# Altium PCB LimeSDR-QPCIe_1v2.PcbDoc (part 19 of 21)
Units mm, origin at the board's own origin, x right, y up, seen from the top; angles counter-clockwise.
Board outline 190 x 111.15 mm, 14 copper layers (Top, L2, L3, L4, L5, L6, L7, L8, L9, L10, L11, L12, L13, Bottom), stack 1.907 mm thick; 2014 components, 1408 nets, 9111 pads, 4171 vias.
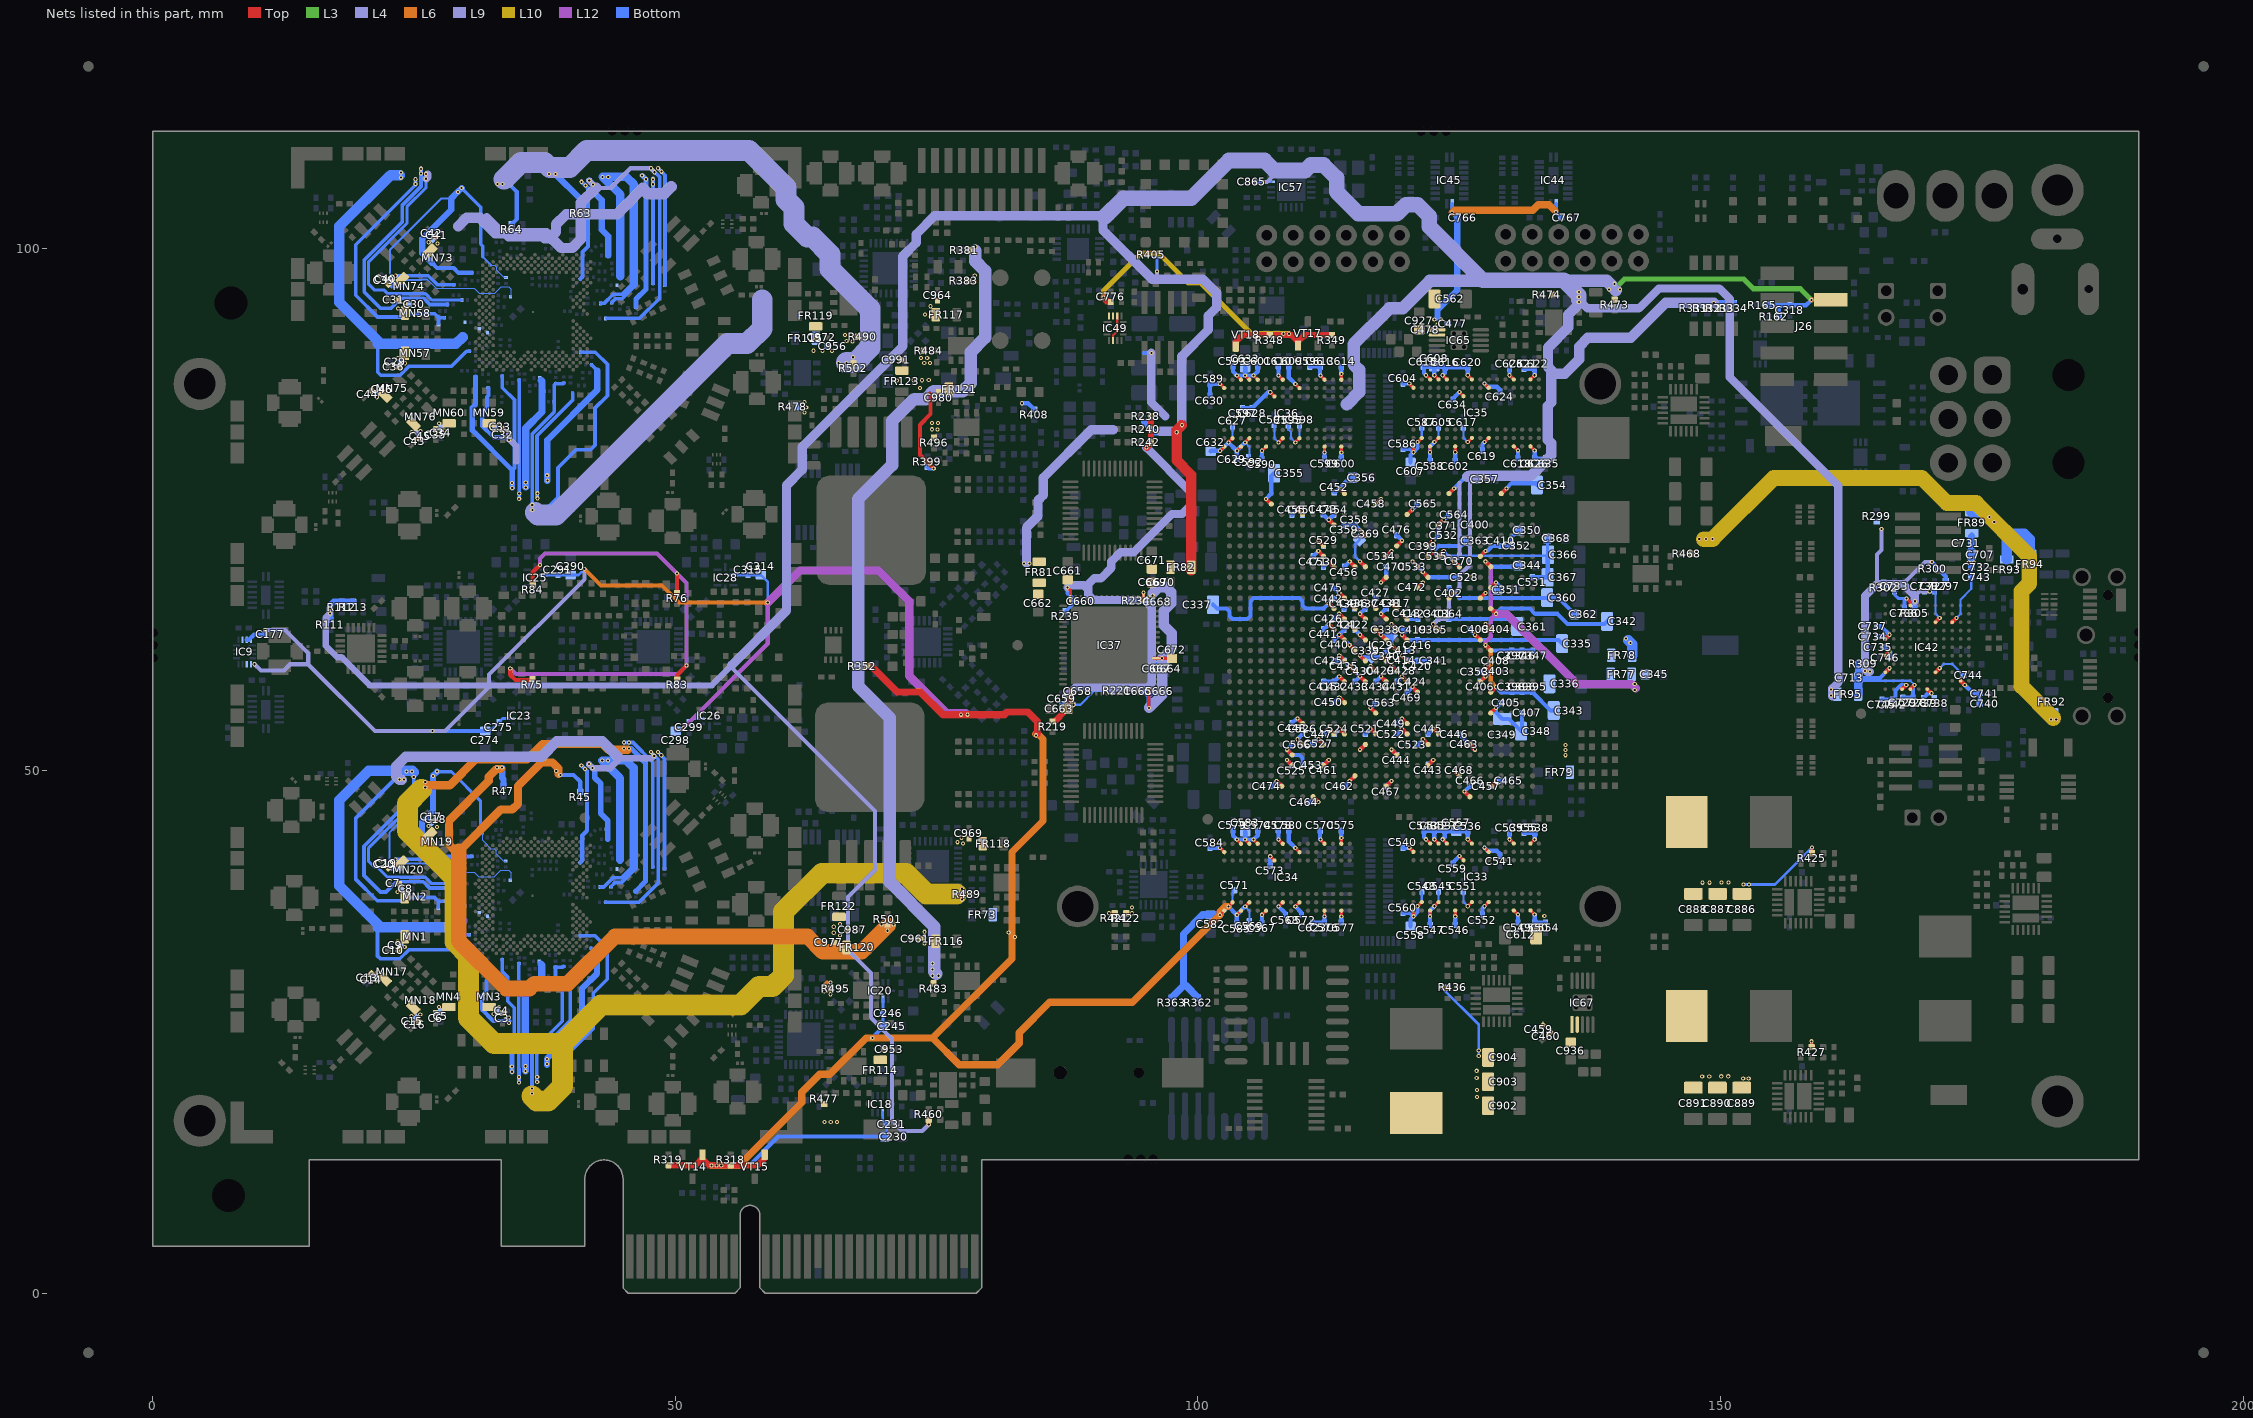
[diagram p31: the nets of this part, all layers, seen from the top]

## Via types
v1: diameter 0.4, hole 0.2, Top to Bottom, tented both sides, 3282 vias
v2: diameter 0.4, hole 0.2, Top to Bottom, tented top, 531 vias
v3: diameter 0.35, hole 0.2, Top to Bottom, tented top, 210 vias
v4: diameter 0.5, hole 0.2, Top to Bottom, tented both sides, 99 vias
v5: diameter 0.5, hole 0.2, Top to Bottom, tented bottom, 49 vias

## Nets (pads, with @x,y where several pads share a name; then routed paths per layer and width w, separated by ;. In a path a pad name is that pad's centre, name@x,y a point inside that pad or via, vN(x,y) a via of type N, cw(c..) or ccw(c..) an arc to the next point about the centre after c; other vN are vias at no path point) (continued)
VCC1P1: C335.2 C336.2 C337.2 C338.2 C339.2 C340.1 C341.1 C413.1 C414.1 C415.1 C416.1 C417.1 C418.1 C419.1 C420.1 C421.1 C422.1 C423.1 C424.1 C425.1 C426.1 C427.1 C428.1 C429.1 C430.1 C431.1 C432.1 C433.1 C434.1 C435.1 C436.1 C437.1 C438.1 C439.1 C440.1 C441.1 C442.1 C889.2 C890.2 C891.2 FR77.1 FR78.1 IC29.M13 IC29.M15 IC29.M17 IC29.M19 IC29.N14 IC29.N16 IC29.N18 IC29.P13 IC29.P15 IC29.P17 IC29.P19 IC29.R14 IC29.R16 IC29.R18 IC29.T13 IC29.T15 IC29.T17 IC29.T19 IC29.U14 IC29.U16 IC29.U18 IC29.U20 IC29.V13 IC29.V15 IC29.V17 IC29.V19 IC29.W14 IC29.W16 IC29.W18 IC29.W20 L3.2 R427.2 | length 86.3
  Top w0.309: R427.2@158.725,23.55 v1(158.725,24.1)
  Top w0.4: v1(112.525,64) IC29.U20@113.025,63.5 ; v1(112.525,66) IC29.W20@113.025,65.5 ; v1(113.525,59) IC29.M19@114.025,58.5 ; v1(113.525,61) IC29.P19@114.025,60.5 ; v1(113.525,63) IC29.T19@114.025,62.5 ; v1(113.525,65) IC29.V19@114.025,64.5 ; v1(114.525,60) IC29.N18@115.025,59.5 ; v1(114.525,62) IC29.R18@115.025,61.5 ; v1(114.525,64) IC29.U18@115.025,63.5 ; v1(114.525,66) IC29.W18@115.025,65.5 ; v1(115.525,59) IC29.M17@116.025,58.5 ; v1(115.525,61) IC29.P17@116.025,60.5 ; v1(115.525,63) IC29.T17@116.025,62.5 ; v1(115.525,65) IC29.V17@116.025,64.5 ; v1(116.525,60) IC29.N16@117.025,59.5 ; v1(116.525,62) IC29.R16@117.025,61.5 ; v1(116.525,66) IC29.W16@117.025,65.5 ; IC29.U16@117.025,63.5 v1(117.525,63) IC29.T15@118.025,62.5 ; v1(117.525,59) IC29.M15@118.025,58.5 ; v1(117.525,61) IC29.P15@118.025,60.5 ; v1(117.525,65) IC29.V15@118.025,64.5 ; v1(118.525,60) IC29.N14@119.025,59.5 ; v1(118.525,62) IC29.R14@119.025,61.5 ; v1(118.525,64) IC29.U14@119.025,63.5 ; v1(118.525,66) IC29.W14@119.025,65.5 ; v1(119.525,59) IC29.M13@120.025,58.5 ; v1(119.525,61) IC29.P13@120.025,60.5 ; v1(119.525,63) IC29.T13@120.025,62.5 ; v1(119.525,65) IC29.V13@120.025,64.5
  Bottom w0.4: C337.2@101.45,65.875 101.825,65.5 102.732,65.5 103.025,65.207 103.025,64.793 103.318,64.5 103.732,64.5 104.732,64.5 105.025,64.793 105.025,66.207 105.318,66.5 109.732,66.5 110.025,66.207 110.025,65.793 110.318,65.5 112.025,65.5 v1(112.525,66) 112.55,66 C442.1@113,66.45 ; C441.1@112.025,63.525 112.05,63.525 v1(112.525,64) ; C415.1@112.05,58.5 113.025,58.5 v1(113.525,59) ; C426.1@113.025,64.525 113.05,64.525 v1(113.525,65) ; C425.1@113.075,60.5 C435.1@114.025,60.5 ; C440.1@113.075,62.525 v1@113.525,62.975 ; v1(113.525,61) C435.1@114.025,60.5 ; C439.1@113.975,65.475 114,65.475 v1(114.525,66) 114.975,65.55 C436.1@114.975,65.5 ; v1(114.525,60) C435.1@114.025,60.5 ; v1(114.525,62) 113.55,62.975 v1@113.525,62.975 ; v1(114.525,64) C421.1@113.975,63.45 v1(113.525,63) v1@113.525,62.975 ; C433.1@115.025,58.525 115.05,58.525 v1(115.525,59) 115.025,59.5 C430.1@115.025,59.525 ; C422.1@115.025,63.475 115.051,63.475 v1@115.525,63.001 ; v1(115.525,61) 115.651,60.874 C339.2@116.651,60.874 ; v1(115.525,65) 115.525,65.025 C437.1@115.975,65.475 ; v1(116.525,60) C429.1@116.975,59.55 ; v1(116.525,62) 116.651,61.874 C339.2@116.651,60.874 ; v1(116.525,66) 116.525,66.025 C427.1@117.025,66.525 ; C434.1@117.05,58.525 v1(117.525,59) ; v1(117.525,63) 117.626,62.899 C338.2@118.526,62.899 ; v1@117.541,65.016 118.025,65.5 C438.1@118.025,65.525 ; v1(118.525,60) 118.55,60 C428.1@119,59.55 ; v1(118.525,64) 119.025,63.5 ; v1(118.525,66) C417.1@119,65.525 ; C431.1@119.05,58.525 v1(119.525,59) 120,58.525 C424.1@120.025,58.525 ; v1(119.525,65) 119.975,64.55 C418.1@120,64.55 120.05,64.5 121.05,64.5 C423.1@121.05,64.525 ; C413.1@120.05,61.525 v1(119.525,61) 119.575,61 C414.1@120.025,60.55 120.075,60.5 C420.1@121.025,60.5 C341.1@122.05,60.5 ; C335.2@134.85,62.15 134.5,62.5 120.025,62.5 v1(119.525,63) 119.55,63 C419.1@120.05,63.5 119.025,63.5 ; C339.2@116.651,60.874 117.399,60.874 v1(117.525,61) 117.55,61 C340.1@118,61.45 118.525,61.975 v1(118.525,62) 118.526,62.001 C338.2@118.526,62.899 ; C338.2@118.526,62.899 118.526,63.001 119.025,63.5
  other v1: 152.175,20.55 152.7,20.55 148.25,20.725 148.925,20.725 150.075,20.75 150.75,20.75
VCC1P1E_FPGA: C348.2 C349.2 C350.2 C351.2 C352.2 C353.1 C403.1 C404.1 C405.1 C406.1 C407.1 C408.1 C409.1 C410.1 FR78.2 IC29.AA5 IC29.AD6 IC29.J5 IC29.M6 IC29.N5 IC29.T6 IC29.U5 IC29.Y6 | length 23.4
  Top w0.4: v1(126.525,63) IC29.T6@127.025,62.5 ; IC29.M6@127.025,58.5 v1(127.525,59) ; IC29.Y6@127.025,66.5 v1(127.525,67) ; IC29.AD6@127.025,70.5 v1(127.525,71) ; v1(127.525,60) IC29.N5@128.025,59.5 ; v1(127.525,64) IC29.U5@128.025,63.5 ; IC29.J5@128.025,55.5 v1(128.525,56) ; IC29.AA5@128.025,67.5 v1(128.525,68)
  Bottom w0.4: C409.1@126.05,63.525 126.525,63.05 v1(126.525,63) ; C406.1@127,58.525 127.05,58.525 v1(127.525,59) ; C353.1@127,59.475 127.05,59.475 v1(127.525,59) ; v1(127.525,64) 127.575,64 C404.1@128.05,63.525 ; v1(127.525,71) 127.683,71 128.183,71.5 129.732,71.5 130.025,71.793 130.025,72.35 C350.2@130.675,73 ; C408.1@128,60.5 128,60.475 v1(127.525,60) C403.1@128,59.525 128,59.475 v1(127.525,59) ; v1(128.525,68) 128.675,67.85 C351.2@128.675,67.3 ; C405.1@129.025,56.5 v1(128.525,56) 128.525,55.55 C349.2@129.125,54.95 129.75,54.95 C348.2@130.925,53.775 131.025,53.875 C407.1@131.025,55.55
  Bottom w1: 141.175,62.475 141.55,62.1 FR78.2@141.55,61.025
  other v1: 141.375,62.225 140.95,62.65
VCC1P1L_FPGA: C342.2 C343.2 C344.2 C345.2 C346.2 C347.1 C395.1 C396.1 C397.1 C398.1 FR77.2 IC29.AC5 IC29.L5 IC29.R5 IC29.W5 | length 58.6
  Top w0.4: v1(127.525,62) IC29.R5@128.025,61.5 ; v1(127.525,70) IC29.AC5@128.025,69.5 ; IC29.L5@128.025,57.5 v1(128.525,58) ; IC29.W5@128.025,65.5 v1(128.525,65)
  L6 w0.4: v1(127.525,62) 128.025,61.5 128.025,58.5 v1(128.525,58)
  L12 w0.4: v1(127.525,62) 127.525,62.293 128.025,62.793 128.025,64.5 v1(128.525,65) 128.025,65.5 128.025,69.5 v1(127.525,70)
  L12 w0.8: v1(128.525,65) 129.535,65 136.26,58.275 141.5,58.275 141.887,57.888
  Bottom w0.4: v1(127.525,62) 128.025,61.5 C397.1@130.025,61.5 C346.2@131,61.5 C347.1@132.1,61.5 ; v1(127.525,70) 128.025,69.5 130.65,69.5 C344.2@130.65,69.65 ; v1(128.525,58) 129.025,57.5 132,57.5 133.75,55.75 C343.2@134.05,55.75 ; v1(128.525,65) 129.025,65.5 131.775,65.5 132.275,65 134.4,65 135.375,64.025 138.9,64.025 C342.2@139.15,64.275
  other v1: 141.8,57.7 141.8,58.275
VCC1P2: FR89.1 FR92.2 FR93.2 FR94.2 R468.1 | length 64.6
  L10 w1.5: 148.4,72.15 v1(149.25,72.15) 155.1,78 169.275,78 171.675,75.6 174.46,75.6 179.55,70.51 179.55,67.9 178.8,67.15 178.8,58.085 181.85,55.035
  Bottom w1: FR89.1@174.05,74.725 175.325,74.725 177.4,72.65 ; FR93.2@177.4,70.2 177.4,72.65 ; FR94.2@179.6,70.75 179.6,72.125 179.075,72.65 177.4,72.65 ; 181.825,54.95 FR92.2@181.825,55.35
  other v1: 181.625,54.9 182.125,54.9 147.975,72.15 148.625,72.15 176.2,73.775 175.725,74.275
VCC1P2_FX3: C707.2 C731.1 C732.1 C733.1 C734.1 C735.1 C736.1 C737.1 C738.1 C739.2 C740.2 C741.2 C742.2 C743.2 C744.2 C745.2 C746.2 FR89.2 IC42.B10 IC42.C3 IC42.E9 IC42.F11 IC42.H1 IC42.J11 IC42.L5 IC42.L7 | length 29.9
  Top w0.3: v1(167.8,66.475) 168.15,66.125 168.15,65.8 IC42.H1@168.175,65.8
  Top w0.4: IC42.L7@165.775,61 v1(166.175,61.4) ; IC42.L5@165.775,62.6 v1(166.175,63) ; IC42.J11@167.375,57.8 v1(167.775,58.2) ; IC42.F11@169.775,57.8 v1(170.175,57.4) ; IC42.E9@170.575,59.4 v1(170.975,59.8) ; IC42.C3@172.175,64.2 v1(172.575,64.6) ; IC42.B10@172.975,58.6 v1(173.375,58.2)
  Bottom w0.2: v1(170.975,59.8) 171.375,60.2 172.175,60.2 C744.2@173.25,59.125 ; v1(172.575,64.6) 172.975,65 172.975,66.375 174,67.4 C743.2@174,68.5 C732.1@174,69.45
  Bottom w0.3: C733.1@166.776,67.15 C733.1@166.65,67.15 166.65,66.825 167,66.475 v1(167.8,66.475)
  Bottom w0.4: C734.1@165.05,62.8 165.975,62.8 v1(166.175,63) 165.375,63.8 C737.1@165.05,63.8 ; C745.2@165.45,56.8 C742.2@166.45,56.8 166.75,57.1 166.75,57.65 167.3,58.2 v1(167.775,58.2) ; C735.1@165.6,61.8 165.775,61.8 v1(166.175,61.4) 166.275,61.3 C746.2@166.275,60.8 ; C736.1@167.6,65.55 167.6,66.275 v1(167.8,66.475) ; C739.2@169.425,56.95 169.875,57.4 v1(170.175,57.4) ; v1(173.375,58.2) 174.2,57.375 C741.2@174.8,57.375 C740.2@174.8,56.375
  Bottom w0.6: C732.1@174,69.45 174,72.425 FR89.2@174.05,72.475
  other v1: 173.75,69.925 174.25,69.925
VCC1P4_LMS1: FR29.1 FR30.2 FR32.2 FR33.2 FR34.2 FR35.2 R489.1 | length 182.4
  L6 w0.8: 26.375,48.6 28.425,48.6 30.925,51.1 35.85,51.1 37.3,52.55 43.05,52.55 43.606,51.994 v1@45.45,51.994
  L10 w2: 25.738,48.213 24.389,46.864 24.389,44.236 28.9,39.725 28.9,33.625 30.2,32.325 30.2,26.325 32.65,23.875 39.2,23.875 ; 36.275,18.85 36.75,18.375 37.809,18.375 39.225,19.791 39.225,23.9 42.9,27.575 56.25,27.575 58,29.325 59.3,29.325 60.35,30.375 60.35,36.5 64.025,40.175 72.075,40.175 74.05,38.2 v1(76.9,38.2)
  Bottom w0.3: v1(26.075,48.9) v1(26.075,48.375) 26.075,47.999 20.637,42.561 20.637,41.35 21.237,40.75 21.503,40.75 22.462,39.791 26.087,39.791 26.688,39.19 FR35.2@29.55,39.19
  Bottom w0.35: FR32.2@38.535,31.205 FR32.2@38.535,31.185 ; FR33.2@39.305,31.26 39.23,31.185 FR32.2@38.535,31.185 ; FR34.2@40.93,34.19 42.328,34.19 43.487,33.031 43.487,30.04 42.149,28.703 42.149,25.324 38.75,21.925 38.75,20.422 37.425,19.097 v1(36.293,19.097) 36.293,23.143 39.175,26.025 39.175,29.035 FR29.1@38.535,29.675 FR32.2@38.535,31.185
  Bottom w0.5: v1(45.087,52.119) v1(45.587,52.119) 45.785,52.119 47.162,50.742 47.162,39.407 FR30.2@46.216,38.461
  other v1: 36.287,19.591 77.425,37.65 77.425,38.7
VCC1P4_LMS2: FR64.1 FR65.2 FR67.2 FR68.2 FR69.2 FR70.2 R490.1 | length 124.7
  L4 w0.7: v1(26.163,106.625) 26.313,106.775 v1@26.313,107.063 ; 31.975,103 33.997,100.978 37.283,100.978 37.32,100.941 37.532,100.941
  L4 w1: 37.532,100.941 37.966,100.941 38.587,101.562 38.587,102.287 39.55,103.25 44.425,103.25 46.875,105.7
  L4 w1.1: 46.875,105.7 47.375,105.2 48.925,105.2 49.6,105.875
  L4 w2: 36.6,74.7 36.85,74.45 38.6,74.45 55,90.85 56.875,90.85 58.325,92.3 58.325,95.05
  Bottom w0.3: v1(26.163,107.1) 26.163,105.784 24.316,103.937 24.316,102.34 20.663,98.688 20.663,96.528 21.196,95.995 22.121,95.995 22.488,95.628 26.113,95.628 26.714,95.027 FR70.2@29.577,95.027
  Bottom w0.35: FR67.2@38.562,87.022 39.257,87.022 FR68.2@39.332,87.097 ; FR67.2@38.562,87.042 38.427,86.907 38.427,84.32 36.32,82.213 v1(36.32,74.934) 37.575,74.934 38.775,76.134 38.775,78.975 40.5,80.7 41.9,80.7 42.325,81.125 42.325,84.689 43.513,85.877 43.513,88.868 42.354,90.027 FR69.2@40.957,90.027
  Bottom w0.5: FR65.2@46.245,94.37 46.245,95.108 47.188,96.051 v1(47.188,106.579) v1(46.835,106.933)
  other v1: 36.313,75.428 66.95,91.05 66.4,91.1 66.225,91.675
VCC1P5: C177.2 C230.2 C231.1 C245.2 C246.1 C274.2 C275.1 C290.2 C291.1 C298.2 C299.1 C314.2 C315.1 C354.2 C355.2 C356.2 C357.2 C358.2 C359.1 C443.1 C444.1 C445.1 C446.1 C447.1 C448.1 C449.1 C450.1 C451.1 C452.1 C453.1 C454.1 C455.1 C456.1 C457.1 C458.1 C459.1 C460.1 C461.1 C462.1 C463.1 C464.1 C465.1 C466.1 C467.1 C468.1 C469.1 C470.1 C471.1 C472.1 C473.1 C474.1 C475.1 C476.1 C477.1 C478.1 C536.1 C537.1 C538.1 C539.1 C540.1 C541.1 C542.1 C543.1 C545.1 C546.1 C547.1 C548.1 C549.1 C550.1 C551.1 C552.1 C554.1 C555.1 C557.2 C558.2 C559.1 C560.2 C562.2 C563.1 C564.1 C565.1 C566.1 C567.1 C568.1 C569.1 C570.1 C571.1 C572.1 C573.1 C574.1 C575.1 C576.1 C577.1 C578.1 C579.1 C580.1 C582.2 C583.2 C584.1 C585.2 C586.1 C587.1 C588.1 C589.1 C590.1 C591.1 C592.1 C593.1 C595.1 C596.1 C597.1 C598.1 C599.1 C600.1 C601.1 C602.1 C604.1 C605.1 C607.2 C608.2 C609.1 C610.2 C612.2 C613.1 C614.1 C615.1 C616.1 C617.1 C618.1 C619.1 C620.1 C621.1 C622.1 C623.1 C624.1 C625.1 C626.1 C627.1 C628.1 C629.1 C630.1 C632.2 C633.2 C634.1 C635.2 C766.1 C767.1 C776.1 C886.2 C887.2 C888.2 C927.2 C936.2 FR73.1 IC9.5 IC9.6 IC9.14 IC9.15 IC9.16 IC18.7 IC20.7 IC23.7 IC25.7 IC26.7 IC28.7 IC29.A7 IC29.A22 IC29.AA12 IC29.AB15 IC29.AC18 IC29.AD21 IC29.AE14 IC29.AF17 IC29.AG10 IC29.AG20 IC29.AH13 IC29.AH23 IC29.AJ16 IC29.AJ26 IC29.AK4 IC29.AK9 IC29.AK19 IC29.B5 IC29.B15 IC29.B25 IC29.C8 IC29.C18 IC29.D11 IC29.D21 IC29.E14 IC29.E24 IC29.F7 IC29.F17 IC29.G10 IC29.G20 IC29.H13 IC29.H23 IC29.J16 IC29.K19 IC29.L12 IC29.Y19 IC33.A1 IC33.A8 IC33.B2 IC33.C1 IC33.C9 IC33.D2 IC33.D9 IC33.E9 IC33.F1 IC33.G7 IC33.H2 IC33.H9 IC33.K2 IC33.K8 IC33.N1 IC33.N9 IC33.R1 IC33.R9 IC34.A1 IC34.A8 IC34.B2 IC34.C1 IC34.C9 IC34.D2 IC34.D9 IC34.E9 IC34.F1 IC34.G7 IC34.H2 IC34.H9 IC34.K2 IC34.K8 IC34.N1 IC34.N9 IC34.R1 IC34.R9 IC35.A1 IC35.A8 IC35.B2 IC35.C1 IC35.C9 IC35.D2 IC35.D9 IC35.E9 IC35.F1 IC35.G7 IC35.H2 IC35.H9 IC35.K2 IC35.K8 IC35.N1 IC35.N9 IC35.R1 IC35.R9 IC36.A1 IC36.A8 IC36.B2 IC36.C1 IC36.C9 IC36.D2 IC36.D9 IC36.E9 IC36.F1 IC36.G7 IC36.H2 IC36.H9 IC36.K2 IC36.K8 IC36.N1 IC36.N9 IC36.R1 IC36.R9 IC44.20 IC45.20 IC49.6 IC49.14 IC49.15 IC49.16 IC65.1 IC65.2 IC67.1 IC67.2 L2.2 R318.1 R319.1 R331.1 R332.1 R333.1 R334.1 R348.1 R349.1 R352.2 R362.2 R363.2 R425.2 VT14.G VT15.G VT17.G VT18.G | length 610.9
  Top w0.2: IC49.6@91.89,91.15 91.89,91.65 92.29,92.05 IC49.14@92.29,93.5
  Top w0.309: v1(102.125,36.2) IC34.A1@102.525,36.6 ; v1(102.125,42.6) IC34.A8@102.525,42.2 ; v1(102.125,80.6) IC36.A1@102.525,81 ; v1(102.125,87) IC36.A8@102.525,86.6 ; v1(102.925,37) IC34.B2@103.325,37.4 ; v1(102.925,81.4) IC36.B2@103.325,81.8 ; v1(103.725,36.2) IC34.C1@104.125,36.6 ; v1(103.725,43.4) IC34.C9@104.125,43 ; v1(103.725,80.6) IC36.C1@104.125,81 ; v1(103.725,87.8) IC36.C9@104.125,87.4 ; v1(104.525,37) IC34.D2@104.925,37.4 ; v1(104.525,43.4) IC34.D9@104.925,43 ; v1(104.525,81.4) IC36.D2@104.925,81.8 ; v1(104.525,87.8) IC36.D9@104.925,87.4 ; v1(105.325,43.4) IC34.E9@105.725,43 ; v1(105.325,87.8) IC36.E9@105.725,87.4 ; v1(106.125,36.2) IC34.F1@106.525,36.6 ; v1(106.125,80.6) IC36.F1@106.525,81 ; v1(106.925,41.8) IC34.G7@107.325,41.4 ; v1(106.925,86.2) IC36.G7@107.325,85.8 ; v1(107.725,37) IC34.H2@108.125,37.4 ; v1(107.725,43.4) IC34.H9@108.125,43 ; v1(107.725,81.4) IC36.H2@108.125,81.8 ; v1(107.725,87.8) IC36.H9@108.125,87.4 ; v1(109.325,37) IC34.K2@109.725,37.4 ; v1(109.325,42.6) IC34.K8@109.725,42.2 ; v1(109.325,81.4) IC36.K2@109.725,81.8 ; v1(109.325,87) IC36.K8@109.725,86.6 ; v1(111.725,43.4) IC34.N9@112.125,43 ; v1(111.725,87.8) IC36.N9@112.125,87.4 ; v1(112.125,36.034) IC34.N1@112.125,36.6 ; v1(112.125,80.434) IC36.N1@112.125,81 ; v1(113.725,36.034) IC34.R1@113.725,36.6 ; IC34.R9@113.725,43 v1(113.725,43.566) ; v1(113.725,80.434) IC36.R1@113.725,81 ; IC36.R9@113.725,87.4 v1(113.725,87.966) ; v1(120.225,42.625) IC33.A8@120.625,42.225 ; v1(120.225,87.025) IC35.A8@120.625,86.625 ; v1(120.625,36.059) IC33.A1@120.625,36.625 ; v1(120.625,80.459) IC35.A1@120.625,81.025 ; v1(121.025,37.025) IC33.B2@121.425,37.425 ; v1(121.025,81.425) IC35.B2@121.425,81.825 ; v1(121.825,43.425) IC33.C9@122.225,43.025 ; v1(121.825,87.825) IC35.C9@122.225,87.425 ; v1(122.225,36.059) IC33.C1@122.225,36.625 ; v1(122.225,80.459) IC35.C1@122.225,81.025 ; v1(122.625,37.025) IC33.D2@123.025,37.425 ; v1(122.625,43.425) IC33.D9@123.025,43.025 ; v1(122.625,81.425) IC35.D2@123.025,81.825 ; v1(122.625,87.825) IC35.D9@123.025,87.425 ; v1(123.425,43.425) IC33.E9@123.825,43.025 ; v1(123.425,87.825) IC35.E9@123.825,87.425 ; v1(124.625,36.059) IC33.F1@124.625,36.625 ; v1(124.625,80.459) IC35.F1@124.625,81.025 ; v1(125.025,41.825) IC33.G7@125.425,41.425 ; v1(125.025,86.225) IC35.G7@125.425,85.825 ; v1(125.825,37.025) IC33.H2@126.225,37.425 ; v1(125.825,43.425) IC33.H9@126.225,43.025 ; v1(125.825,81.425) IC35.H2@126.225,81.825 ; v1(125.825,87.825) IC35.H9@126.225,87.425 ; v1(127.425,37.025) IC33.K2@127.825,37.425 ; v1(127.425,42.625) IC33.K8@127.825,42.225 ; v1(127.425,81.425) IC35.K2@127.825,81.825 ; v1(127.425,87.025) IC35.K8@127.825,86.625 ; v1(129.825,43.425) IC33.N9@130.225,43.025 ; v1(129.825,87.825) IC35.N9@130.225,87.425 ; IC33.N1@130.225,36.625 v1(130.625,36.225) ; IC35.N1@130.225,81.025 v1(130.625,80.625) ; IC33.R1@131.825,36.625 v1(132.225,36.225) ; IC33.R9@131.825,43.025 v1(132.225,43.425) ; IC35.R1@131.825,81.025 v1(132.225,80.625) ; IC35.R9@131.825,87.425 v1(132.225,87.825) ; R425.2@158.75,42.1 v1(158.75,42.65)
  Top w0.4: v1(106.525,76) IC29.AJ26@107.025,75.5 ; v1(107.525,49) IC29.B25@108.025,48.5 ; v1(108.525,52) IC29.E24@109.025,51.5 ; v1(109.525,55) IC29.H23@110.025,54.5 ; v1(109.525,75) IC29.AH23@110.025,74.5 ; IC29.A22@111.025,47.5 v1(111.525,47) ; v1(111.525,71) IC29.AD21@112.025,70.5 ; IC29.D21@112.025,50.5 v1(112.525,51) ; v1(112.525,54) IC29.G20@113.025,53.5 ; v1(112.525,74) IC29.AG20@113.025,73.5 ; v1(113.525,57) IC29.K19@114.025,56.5 ; v1(113.525,67) IC29.Y19@114.025,66.5 ; v1(113.525,77) IC29.AK19@114.025,76.5 ; v1(114.525,49) IC29.C18@115.025,49.5 ; v1(114.525,70) IC29.AC18@115.025,69.5 ; v1(115.525,52) IC29.F17@116.025,52.5 ; v1(115.525,73) IC29.AF17@116.025,72.5 ; v1(116.525,56) IC29.J16@117.025,55.5 ; IC29.AJ16@117.025,75.5 v1(117.525,76) ; v1(117.525,68) IC29.AB15@118.025,68.5 ; IC29.B15@118.025,48.5 v1(118.525,49) ; v1(118.525,52) IC29.E14@119.025,51.5 ; IC29.AE14@119.025,71.5 v1(119.525,72) ; v1(119.525,55) IC29.H13@120.025,54.5 ; IC29.AH13@120.025,74.5 v1(120.525,75) ; v1(120.525,58) IC29.L12@121.025,57.5 ; IC29.AA12@121.025,67.5 v1(121.525,68) ; IC29.D11@122.025,50.5 v1(122.525,51) ; v1(122.525,54) IC29.G10@123.025,53.5 ; IC29.AG10@123.025,73.5 v1(123.525,74) ; IC29.AK9@124.025,76.5 v1(124.525,77) ; v1(124.525,50) IC29.C8@125.025,49.5 ; v1(125.525,48) IC29.A7@126.025,47.5 ; IC29.F7@126.025,52.5 v1(126.525,52) ; IC29.B5@128.025,48.5 v1(128.525,49) ; IC29.AK4@129.025,76.5 v1(129.525,77)
  Top w0.6: R319.1@49.35,12.25 51.95,12.25 52.6,12.9 VT14.G@52.6,13.25 52.6,12.85 53.2,12.25 R318.1@55.3,12.25 57.9,12.25 58.55,12.9 VT15.G@58.55,13.25 ; v1(90.962,95.262) 91.399,94.825 C776.1@91.675,94.825 ; VT18.G@103.625,90.675 103.625,91.025 104.275,91.675 R348.1@106.875,91.675 108.975,91.675 109.575,91.075 VT17.G@109.575,90.675 109.575,91.025 110.225,91.675 R349.1@112.825,91.675
  Top w0.7: R352.2@68.375,60 68.75,60 71.225,57.525 73.45,57.525 75.625,55.35 v1(77.35,55.35) v1(77.95,55.35) 81.5,55.35 81.75,55.6 83.725,55.6 84.65,54.675 84.65,53.575 v1@84.575,53.5
  L6 w0.4: v1(41.3,69.3) 42.9,67.7 48.725,67.7 50.35,66.075 v1(58.85,66.075)
  L6 w0.7: v1(53.475,12.225) 56.075,12.225 62.1,18.25 62.1,19.225 63.812,20.937 64.787,20.937 68.262,24.413 74.612,24.413 ; v1@84.5,53.504 84.7,53.504 85.175,53.029 85.175,45.175 82.213,42.213 82.213,32.013 74.612,24.413 ; v1(102.925,37) 102.625,37 102.125,36.5 v1(102.125,36.2) 93.75,27.825 85.8,27.825 82.9,24.925 82.9,23.9 80.85,21.85 77.175,21.85 74.612,24.413 ; v1(124.325,103.4) 124.55,103.625 132.05,103.625 132.575,104.15 133.6,104.15 v1@134.175,103.575
  L4 w1: 133.85,87.95 135.081,87.95 136.475,89.344 136.475,90.575 137.3,91.4 141.425,91.4 144.775,94.75 v1(149.36,94.75)
  L10 w0.5: v1(90.962,95.262) 90.962,95.912 94.55,99.5 96.25,99.5 99.075,96.675 100.25,96.675 105.125,91.8 v1(108.725,91.8)
  L12 w0.4: v1(50.775,54.075) 58.85,62.15 v1(58.85,66.075)
  L12 w0.8: v1(58.85,66.075) 61.925,69.15 69.45,69.15 72.375,66.225 72.375,59.075 75.95,55.5 77.8,55.5
  L9 w0.4: v1(9.75,60.175) 10.35,59.575 12.55,59.575 13.15,60.175 14.875,60.175 ; v1(10.75,63.45) 12.675,63.45 14.875,61.25 14.875,60.175 ; v1(41.3,69.3) 41.3,68.3 32.188,59.188 32.188,57.988 27.975,53.775 v1(26.775,53.775) 21.275,53.775 14.875,60.175
  Bottom w0.2: v1(102.925,37) 103.325,37.4 C571.1@103.325,38.55 ; v1(102.925,81.4) 103.325,81.8 C627.1@103.325,82.95 ; v1(104.525,37) 104.925,36.6 C569.1@104.925,35.6 ; v1(104.525,81.4) 104.925,81 C592.1@104.925,80 ; C591.1@107.275,83.075 107.325,83.025 107.325,81.8 v1(107.725,81.4) ; C595.1@108.65,83.025 108.65,82.6 108.691,82.6 108.925,82.366 108.925,81.8 v1(109.325,81.4) 109.725,81.8 C598.1@109.725,83.05 ; v1(121.025,37.025) 121.425,37.425 121.425,38.425 C548.1@121.45,38.425 ; v1(121.025,81.425) 121.425,81.825 C587.1@121.425,82.825 C587.1@121.45,82.825 ; v1(122.625,37.025) 123.025,37.425 C545.1@123.025,38.425 ; v1(122.625,81.425) 123.025,81.825 C605.1@123.025,82.825 ; C551.1@125.4,38.425 125.425,38.4 125.425,37.425 v1(125.825,37.025) ; C617.1@125.4,82.825 125.425,82.8 125.425,81.825 v1(125.825,81.425)
  Bottom w0.25: C274.2@31.825,53.775 32.275,53.775 C275.1@33.125,54.625 33.485,54.985 IC23.7@34.272,54.985 ; IC25.7@37.382,68.718 C291.1@38.768,68.718 C290.2@39.979,68.718 40.718,68.718 v1(41.3,69.3) ; C298.2@50.025,53.775 50.475,53.775 C299.1@51.325,54.625 51.685,54.985 IC26.7@52.472,54.985 ; IC28.7@55.582,68.718 C315.1@56.968,68.718 C314.2@58.179,68.718 58.85,68.047 v1(58.85,66.075) ; IC18.7@69.865,17.303 69.865,16.516 C231.1@70.225,16.156 70.225,15.156 C230.2@70.05,14.981 ; C245.2@69.875,25.553 C246.1@69.875,26.764 IC20.7@69.875,28.15